# Altium PCB roach2.PcbDoc (part 16 of 39) (continued)
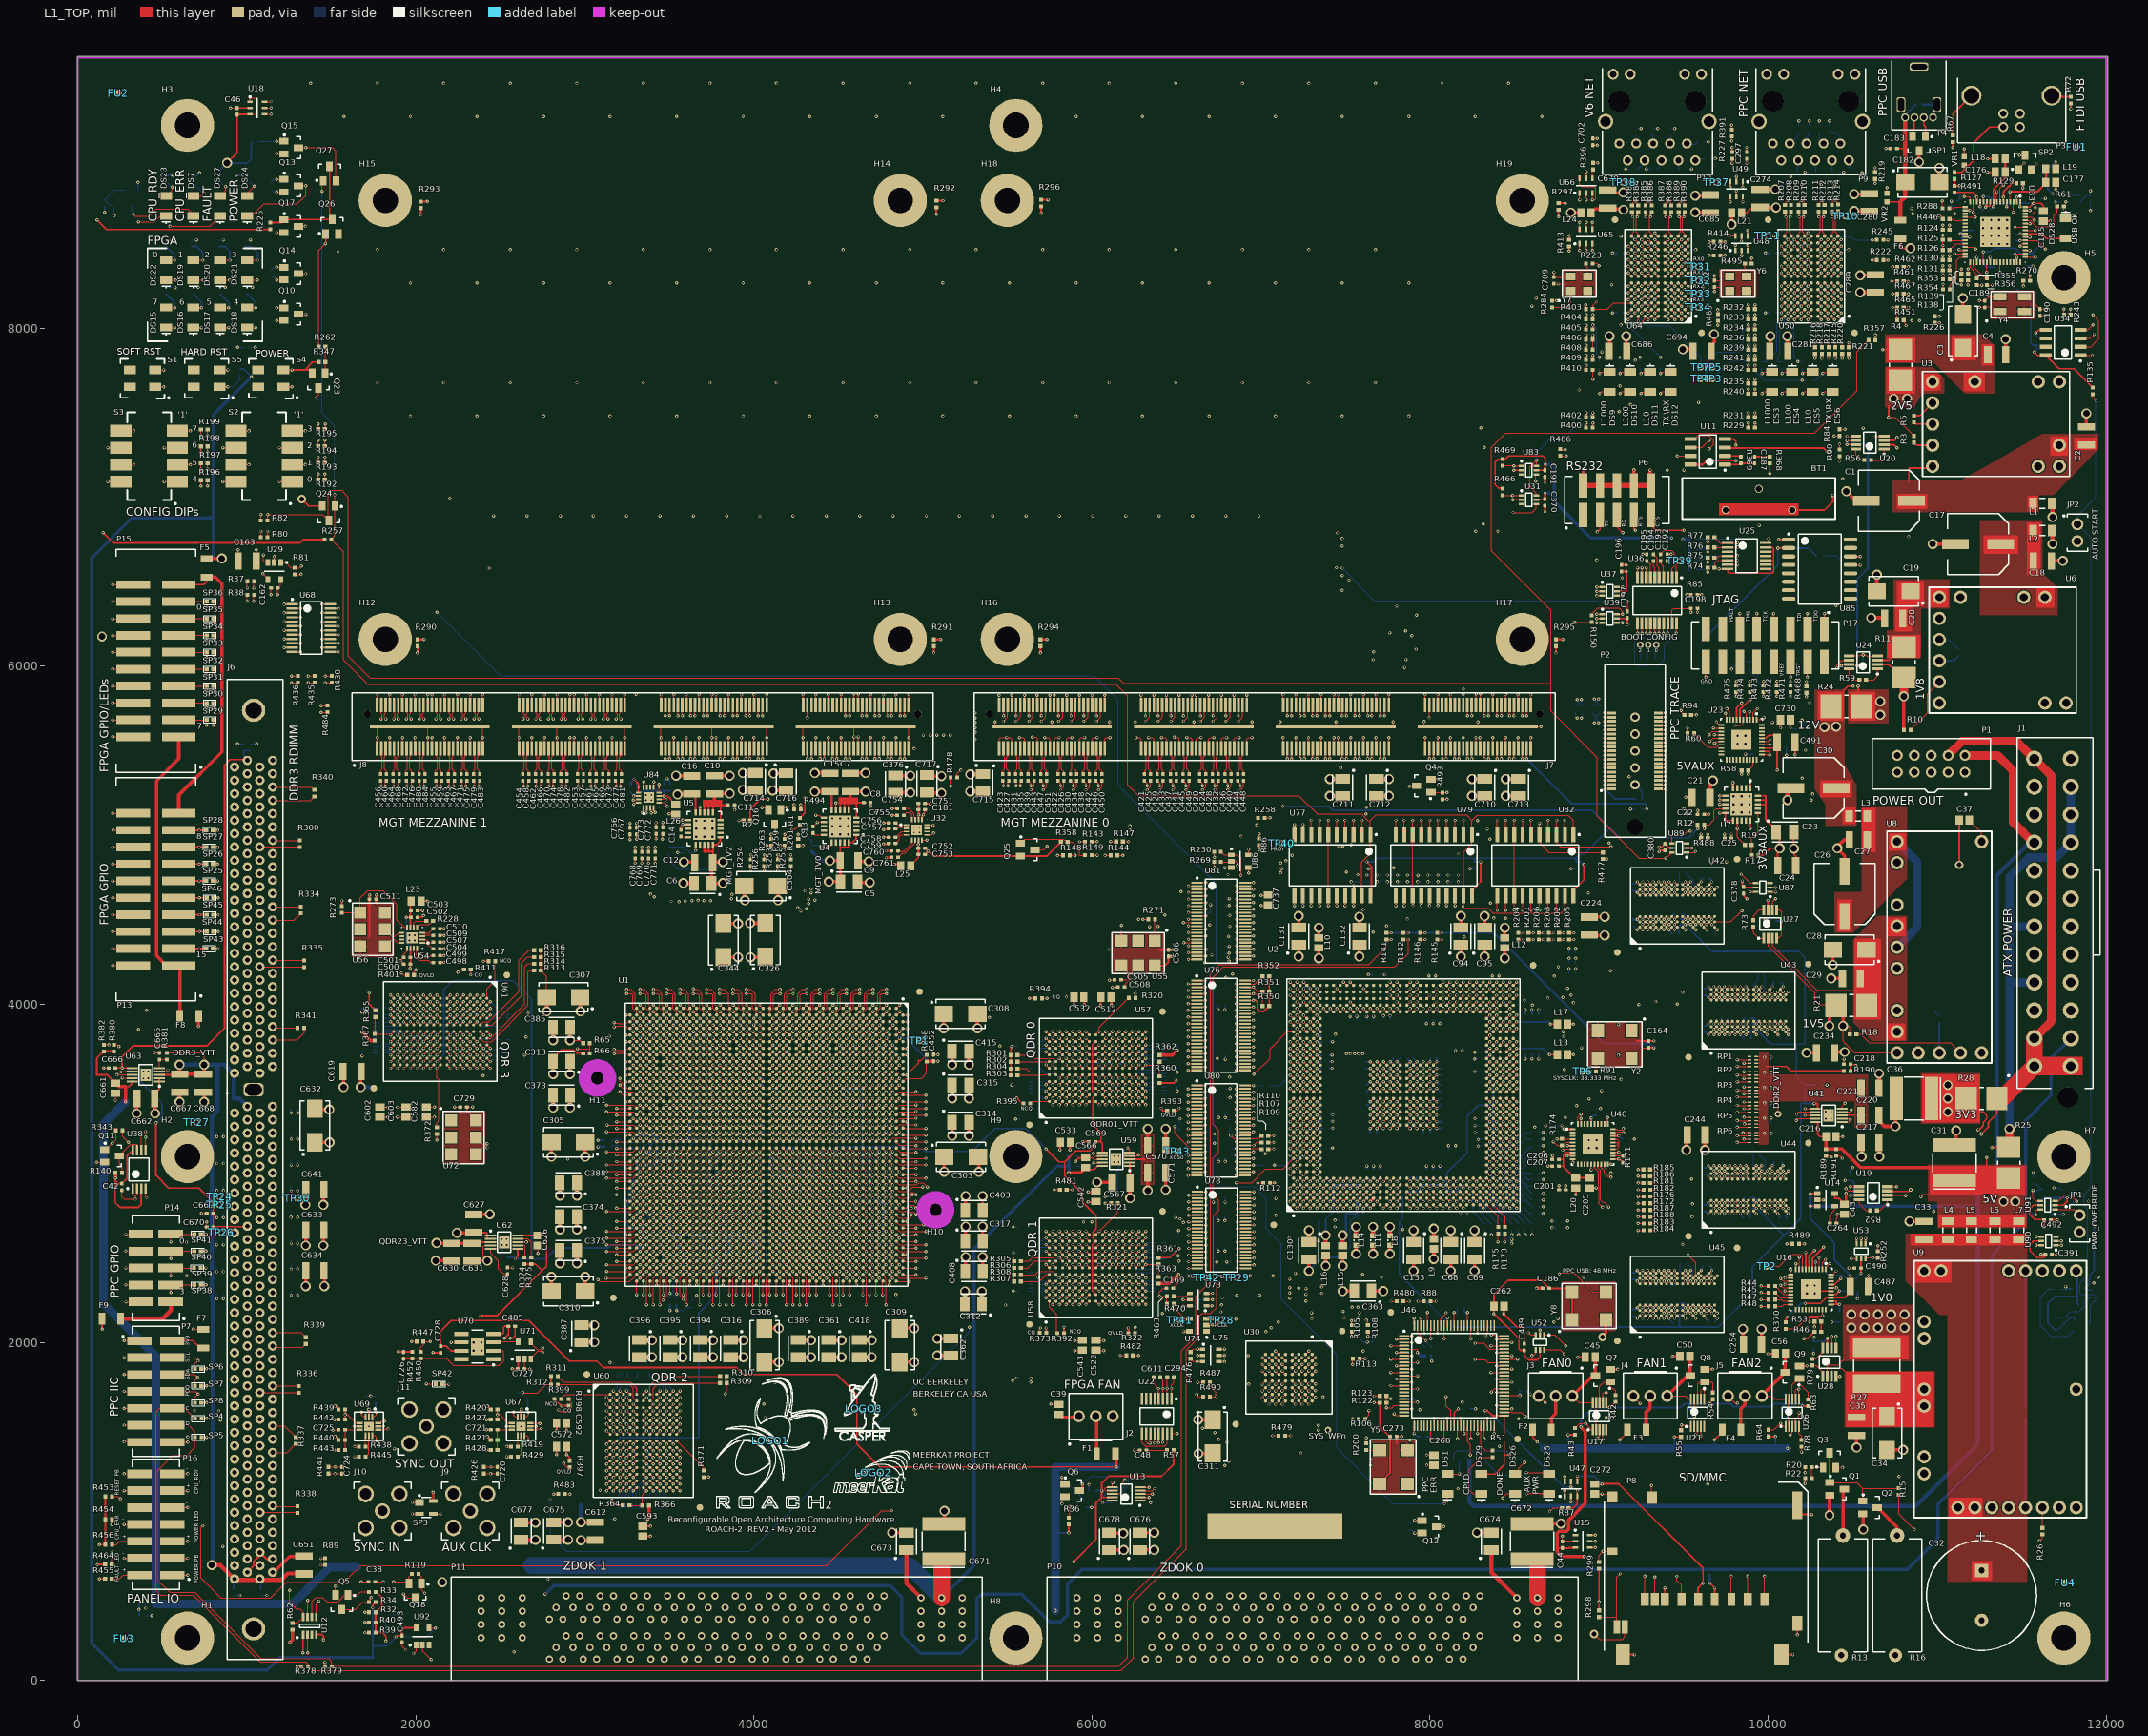
[diagram p0: L1_TOP view]
## Nets (pads, with @x,y where several pads share a name; then routed paths per layer and width w, separated by ;. In a path a pad name is that pad's centre, name@x,y a point inside that pad or via, vN(x,y) a via of type N, cw(c..) or ccw(c..) an arc to the next point about the centre after c; other vN are vias at no path point) (continued)
DDR3.ODT0: J6.195 U1.AU36 | length 3145.5
  L1_TOP w5: v1(3443.98,2577.2) U1.AU36@3463.67,2596.89
  L12_S w3.8: J6.195@1152.6,2372.13 1161.86,2372.13 1232.99,2300.99 1248,2300.99 ccw(c1248,2308.8) 1255.81,2308.8 1255.81,2352.82 cw(c1263.61,2352.82) 1263.61,2360.62 cw(c1263.61,2352.82) 1271.42,2352.82 1271.42,2300.99 1271.42,2295.15 ccw(c1279.22,2295.15) 1279.22,2287.34 ccw(c1279.22,2295.15) 1287.03,2295.15 cw(c1292.87,2295.15) 1292.87,2300.99 1302.64,2300.99 1304.99,2300.99 1326.99,2278.99 1334.8,2278.99 ; 1328,2278.99 1634,2278.99 1635.41,2278.99 ccw(c1635.41,2285.39) 1641.81,2285.39 cw(c1649.61,2285.39) 1649.61,2293.19 cw(c1649.61,2285.39) 1657.42,2285.39 1657.42,2278.99 1657.42,2268.83 ccw(c1665.22,2268.83) 1665.22,2261.02 ccw(c1665.22,2268.83) 1673.03,2268.83 1673.03,2278.99 1673.03,2285.16 cw(c1680.83,2285.16) 1680.83,2292.96 cw(c1680.83,2285.16) 1688.64,2285.16 1688.64,2278.99 1688.64,2268.83 ccw(c1696.44,2268.83) 1696.44,2261.02 ccw(c1696.44,2268.83) 1704.25,2268.83 1704.25,2278.99 1704.25,2285.16 cw(c1712.05,2285.16) 1712.05,2292.96 cw(c1712.05,2285.16) 1719.86,2285.16 1719.86,2278.99 1719.86,2268.83 ccw(c1727.67,2268.83) 1727.67,2261.02 ccw(c1727.67,2268.83) 1735.47,2268.83 1735.47,2278.99 1735.47,2285.16 cw(c1743.28,2285.16) 1743.28,2292.96 cw(c1743.28,2285.16) 1751.08,2285.16 1751.08,2278.99 1751.08,2268.83 ccw(c1758.89,2268.83) 1758.89,2261.02 ccw(c1758.89,2268.83) 1766.69,2268.83 1766.69,2278.99 1766.69,2285.16 cw(c1774.5,2285.16) 1774.5,2292.96 cw(c1774.5,2285.16) 1782.3,2285.16 1782.3,2278.99 1782.3,2268.83 ccw(c1790.11,2268.83) 1790.11,2261.02 ccw(c1790.11,2268.83) 1797.92,2268.83 1797.92,2278.99 1797.92,2285.16 cw(c1805.72,2285.16) 1805.72,2292.96 cw(c1805.72,2285.16) 1813.53,2285.16 1813.53,2278.99 1813.53,2268.83 ccw(c1821.33,2268.83) 1821.33,2261.02 ccw(c1821.33,2268.83) 1829.14,2268.83 1829.14,2278.99 1829.14,2285.16 cw(c1836.94,2285.16) 1836.94,2292.96 cw(c1836.94,2285.16) 1844.75,2285.16 1844.75,2278.99 1844.75,2268.83 ccw(c1852.55,2268.83) 1852.55,2261.02 ccw(c1852.55,2268.83) 1860.36,2268.83 1860.36,2278.99 1860.36,2285.16 cw(c1868.16,2285.16) 1868.16,2292.96 cw(c1868.16,2285.16) 1875.97,2285.16 1875.97,2278.99 1875.97,2268.83 ccw(c1883.78,2268.83) 1883.78,2261.02 ccw(c1883.78,2268.83) 1891.58,2268.83 1891.58,2278.99 1891.58,2285.16 cw(c1899.39,2285.16) 1899.39,2292.96 cw(c1899.39,2285.16) 1907.19,2285.16 1907.19,2278.99 1907.19,2268.83 ccw(c1915,2268.83) 1915,2261.02 ccw(c1915,2268.83) 1922.8,2268.83 1922.8,2278.99 1922.8,2285.16 cw(c1930.61,2285.16) 1930.61,2292.96 cw(c1930.61,2285.16) 1938.41,2285.16 ; 1938.41,2285.18 1938.41,2285.37 ; 1938.41,2285.39 ccw(c1944.81,2285.39) 1944.81,2278.99 2045,2278.99 3142.99,2278.99 3307.49,2443.49 3411.07,2443.49 3428.38,2460.8 3428.38,2561.6 v1(3443.98,2577.2)
DDR3.ODT1: J6.77 U1.AV36 | length 3145.5
  L1_TOP w5: v1(3404.61,2577.2) U1.AV36@3424.3,2596.89
  L12_S w3.8: J6.77@1002.99,2293.39 1004.88,2295.28 1103.39,2295.28 1138.74,2259.93 1185.27,2259.93 1230.2,2214.99 1582.99,2214.99 ; 1580.99,2214.99 1582.99,2214.99 ; 1852.25,2208.6 cw(c1858.65,2208.6) 1858.65,2214.99 2131,2214.99 3134.99,2214.99 3315.95,2395.95 3332.33,2395.95 3335.29,2392.99 3480.99,2392.99 3498.95,2410.95 3498.95,2498.99 3499.32,2499.36 3499.32,2525.46 3507.12,2533.26 3507.12,2661.88 3492,2677 3442.98,2677 3428.38,2662.41 3428.38,2600.97 v1(3404.61,2577.2) ; 1852.25,2209.81 1852.25,2210.41 ; 1852.25,2211.62 cw(c1844.44,2211.62) 1844.44,2203.81 cw(c1844.44,2211.62) 1836.64,2211.62 1836.64,2214.99 1836.64,2216.36 ccw(c1828.83,2216.36) 1828.83,2224.17 ccw(c1828.83,2216.36) 1821.03,2216.36 1821.03,2214.99 1821.03,2211.62 cw(c1813.22,2211.62) 1813.22,2203.81 cw(c1813.22,2211.62) 1805.42,2211.62 1805.42,2214.99 1805.42,2219.39 ccw(c1797.61,2219.39) 1797.61,2227.19 ccw(c1797.61,2219.39) 1789.81,2219.39 cw(c1785.41,2219.39) 1785.41,2214.99 1782,2214.99 1582.99,2214.99
  L16_BOT w10: v1@3405.51,2578.74 v1@3407.48,2578.74
DDR3.RASN: J6.192 U1.AY38 | length 3145.5
  L1_TOP w5: v1(3325.87,2498.46) U1.AY38@3345.56,2518.15
  L12_S w3.8: J6.192@1077.8,2490.24 1079.69,2488.35 1235.58,2488.35 1274.53,2449.39 1402.59,2449.39 1412.62,2439.36 1418.14,2433.84 cw(c1423.63,2428.36) 1429.11,2433.84 1429.18,2433.78 cw(c1423.69,2428.29) 1429.18,2422.8 1399.21,2392.84 ccw(c1404.73,2387.32) 1399.21,2381.8 ccw(c1404.73,2387.32) 1410.25,2381.8 1440.22,2411.77 cw(c1445.7,2406.28) 1451.19,2411.77 1451.26,2411.7 cw(c1445.77,2406.21) 1451.26,2400.73 1418.96,2368.43 ccw(c1424.48,2362.91) 1418.96,2357.39 ccw(c1424.48,2362.91) 1430,2357.39 1462.3,2389.69 cw(c1467.78,2384.2) 1473.27,2389.69 1473.33,2389.62 cw(c1467.85,2384.14) 1473.33,2378.65 1471.96,2377.28 ccw(c1477.48,2371.76) 1471.96,2366.24 ccw(c1477.48,2371.76) 1483,2366.24 1484.37,2367.61 cw(c1489.86,2362.13) 1495.34,2367.61 1495.41,2367.54 cw(c1489.93,2362.06) 1495.41,2356.57 1503.49,2348.49 1512.99,2338.99 2071,2338.99 ccw(c2071,2346.8) 2078.81,2346.8 2078.81,2353.09 cw(c2086.61,2353.09) 2086.61,2360.9 cw(c2086.61,2353.09) 2094.42,2353.09 2094.42,2338.99 2094.42,2336.89 ccw(c2102.22,2336.89) 2102.22,2329.09 ccw(c2102.22,2336.89) 2110.03,2336.89 2110.03,2338.99 2110.03,2353.09 cw(c2117.83,2353.09) 2117.83,2360.9 cw(c2117.83,2353.09) 2125.64,2353.09 2125.64,2338.99 2125.64,2336.89 ccw(c2133.44,2336.89) 2133.44,2329.09 ccw(c2133.44,2336.89) 2141.25,2336.89 2141.25,2338.99 2141.25,2353.09 cw(c2149.05,2353.09) 2149.05,2360.9 cw(c2149.05,2353.09) 2156.86,2353.09 2156.86,2338.99 2156.86,2336.89 ccw(c2164.67,2336.89) 2164.67,2329.09 ccw(c2164.67,2336.89) 2172.47,2336.89 2172.47,2338.99 2172.47,2353.09 cw(c2180.28,2353.09) 2180.28,2360.9 cw(c2180.28,2353.09) 2188.08,2353.09 2188.08,2338.99 2188.08,2336.89 ccw(c2195.89,2336.89) 2195.89,2329.09 ccw(c2195.89,2336.89) 2203.69,2336.89 2203.69,2338.99 2203.69,2353.09 cw(c2211.5,2353.09) 2211.5,2360.9 cw(c2211.5,2353.09) 2219.3,2353.09 2219.3,2338.99 2219.3,2336.89 ccw(c2227.11,2336.89) 2227.11,2329.09 ccw(c2227.11,2336.89) 2234.92,2336.89 2234.92,2338.99 2234.92,2353.09 cw(c2242.72,2353.09) 2242.72,2360.9 cw(c2242.72,2353.09) 2250.53,2353.09 2250.53,2338.99 2250.53,2336.89 ccw(c2258.33,2336.89) 2258.33,2329.09 ccw(c2258.33,2336.89) 2266.14,2336.89 2266.14,2338.99 2266.14,2353.09 cw(c2273.94,2353.09) 2273.94,2360.9 cw(c2273.94,2353.09) 2281.75,2353.09 2281.75,2338.99 2281.75,2336.89 ccw(c2289.55,2336.89) 2289.55,2329.09 ccw(c2289.55,2336.89) 2297.36,2336.89 2297.36,2338.99 2297.36,2353.09 cw(c2305.16,2353.09) 2305.16,2360.9 cw(c2305.16,2353.09) 2312.97,2353.09 2312.97,2338.99 2312.97,2336.89 ccw(c2320.78,2336.89) 2320.78,2329.09 ccw(c2320.78,2336.89) 2328.58,2336.89 2328.58,2338.99 2328.58,2353.09 cw(c2336.39,2353.09) 2336.39,2360.9 cw(c2336.39,2353.09) 2344.19,2353.09 2344.19,2338.99 2344.19,2336.89 ccw(c2352,2336.89) 2352,2329.09 ccw(c2352,2336.89) 2359.8,2336.89 2359.8,2338.99 2359.8,2353.09 cw(c2367.61,2353.09) 2367.61,2360.9 cw(c2367.61,2353.09) 2375.41,2353.09 2375.41,2346.8 ccw(c2383.22,2346.8) 2383.22,2338.99 2491,2338.99 2815.48,2338.99 2823.48,2346.99 2982.51,2346.99 2985.09,2344.41 3150.41,2344.41 3227.53,2421.53 3227.53,2445.87 3236.67,2455.01 3267.01,2455.01 3310.46,2498.46 v1(3325.87,2498.46)
DDR3.RESETN: J6.168 U1.N13 | length 3983
  L1_TOP w5: U1.N13@4408.55,3502.4 4409.77,3503.62 v1(4428.24,3522.09)
  L8_R w3.8: J6.168@1077.8,3592.6 1083.4,3586.99 1154.94,3586.99 1186.06,3618.11 1186.06,3640.06 1431,3885 1840.97,3885 1850.97,3875 3019.08,3875 3157.49,3736.58 3157.49,3701.99 3184.5,3674.99 3218.99,3674.99 3227.53,3666.45 3227.53,3653.42 3236.67,3644.28 3249.7,3644.28 3252.99,3640.99 3252.99,3636.99 3266.99,3622.99 3286.4,3622.99 3302.1,3607.29 3302.1,3523.79 3319.41,3506.49 3372.51,3506.49 3389.01,3522.99 3389.01,3528.55 3404.45,3543.98 3409.2,3543.98 3420.21,3554.99 3420.21,3640.99 3435.02,3655.8 4395.83,3655.8 4412.64,3638.99 4412.64,3537.69 v1(4428.24,3522.09)
DDR3.SN0: J6.193 U1.AW38 | length 3145.5
  L1_TOP w5: v1(3365.24,2498.46) U1.AW38@3384.93,2518.15
  L12_S w3.8: J6.193@1152.6,2450.87 1206.47,2396.99 1217,2396.99 ccw(c1217,2404.8) 1224.81,2404.8 1224.81,2469.24 cw(c1232.61,2469.24) 1232.61,2477.05 cw(c1232.61,2469.24) 1240.42,2469.24 1240.42,2404.8 ccw(c1248.22,2404.8) 1248.22,2396.99 1254,2396.99 1262,2396.99 ccw(c1262,2404.8) 1269.81,2404.8 1269.81,2413.75 cw(c1277.61,2413.75) 1277.61,2421.56 cw(c1277.61,2413.75) 1285.42,2413.75 1285.42,2396.99 1285.42,2384.02 ccw(c1293.22,2384.02) 1293.22,2376.22 ccw(c1293.22,2384.02) 1301.03,2384.02 1301.03,2396.99 1301.03,2409.7 cw(c1308.83,2409.7) 1308.83,2417.5 cw(c1308.83,2409.7) 1316.64,2409.7 1316.64,2404.8 ccw(c1324.44,2404.8) 1324.44,2396.99 1332,2396.99 1341,2396.99 ccw(c1341,2404.8) 1348.81,2404.8 1348.81,2433.79 cw(c1356.61,2433.79) 1356.61,2441.59 cw(c1356.61,2433.79) 1364.42,2433.79 1364.42,2404.8 ccw(c1372.22,2404.8) 1372.22,2396.99 1372.99,2396.99 1378.51,2391.47 ; 1377.49,2392.49 1408.99,2360.99 1408.99,2326.99 1438.42,2297.56 1503.56,2297.56 1526.99,2320.99 1538,2320.99 1543.41,2320.99 ccw(c1543.41,2323.39) 1545.81,2323.39 cw(c1553.61,2323.39) 1553.61,2331.19 cw(c1553.61,2323.39) 1561.42,2323.39 1561.42,2320.99 1561.42,2316.8 ccw(c1569.22,2316.8) 1569.22,2309 ccw(c1569.22,2316.8) 1577.03,2316.8 1577.03,2320.99 1577.03,2323.18 cw(c1584.83,2323.18) 1584.83,2330.99 cw(c1584.83,2323.18) 1592.64,2323.18 1592.64,2320.99 1592.64,2316.8 ccw(c1600.44,2316.8) 1600.44,2309 ccw(c1600.44,2316.8) 1608.25,2316.8 1608.25,2320.99 1608.25,2323.18 cw(c1616.05,2323.18) 1616.05,2330.99 cw(c1616.05,2323.18) 1623.86,2323.18 1623.86,2320.99 1623.86,2316.8 ccw(c1631.67,2316.8) 1631.67,2309 ccw(c1631.67,2316.8) 1639.47,2316.8 1639.47,2320.99 1639.47,2323.18 cw(c1647.28,2323.18) 1647.28,2330.99 cw(c1647.28,2323.18) 1655.08,2323.18 1655.08,2320.99 1655.08,2316.8 ccw(c1662.89,2316.8) 1662.89,2309 ccw(c1662.89,2316.8) 1670.69,2316.8 1670.69,2320.99 1670.69,2323.18 cw(c1678.5,2323.18) 1678.5,2330.99 cw(c1678.5,2323.18) 1686.3,2323.18 1686.3,2320.99 1686.3,2316.8 ccw(c1694.11,2316.8) 1694.11,2309 ccw(c1694.11,2316.8) 1701.92,2316.8 1701.92,2320.99 1701.92,2323.18 cw(c1709.72,2323.18) 1709.72,2330.99 cw(c1709.72,2323.18) 1717.53,2323.18 1717.53,2320.99 1717.53,2316.8 ccw(c1725.33,2316.8) 1725.33,2309 ccw(c1725.33,2316.8) 1733.14,2316.8 1733.14,2320.99 1733.14,2323.18 cw(c1740.94,2323.18) 1740.94,2330.99 cw(c1740.94,2323.18) 1748.75,2323.18 1748.75,2320.99 1748.75,2316.8 ccw(c1756.55,2316.8) 1756.55,2309 ccw(c1756.55,2316.8) 1764.36,2316.8 1764.36,2320.99 1764.36,2323.18 cw(c1772.16,2323.18) 1772.16,2330.99 cw(c1772.16,2323.18) 1779.97,2323.18 1779.97,2320.99 1779.97,2316.8 ccw(c1787.78,2316.8) 1787.78,2309 ccw(c1787.78,2316.8) 1795.58,2316.8 1795.58,2320.99 1795.58,2323.18 cw(c1803.39,2323.18) 1803.39,2330.99 cw(c1803.39,2323.18) 1811.19,2323.18 1811.19,2320.99 1811.19,2316.8 ccw(c1819,2316.8) 1819,2309 ccw(c1819,2316.8) 1826.8,2316.8 1826.8,2320.99 1826.8,2323.18 cw(c1834.61,2323.18) 1834.61,2330.99 cw(c1834.61,2323.18) 1842.41,2323.18 1842.41,2320.99 1842.41,2316.8 ccw(c1850.22,2316.8) 1850.22,2309 ccw(c1850.22,2316.8) 1858.03,2316.8 1858.03,2320.99 1858.03,2323.18 cw(c1865.83,2323.18) 1865.83,2330.99 cw(c1865.83,2323.18) 1873.64,2323.18 1873.64,2320.99 1873.64,2316.8 ccw(c1881.44,2316.8) 1881.44,2309 ccw(c1881.44,2316.8) 1889.25,2316.8 1889.25,2320.99 1889.25,2323.18 cw(c1897.05,2323.18) 1897.05,2330.99 cw(c1897.05,2323.18) 1904.86,2323.18 1904.86,2320.99 1904.86,2316.8 ccw(c1912.66,2316.8) 1912.66,2309 ccw(c1912.66,2316.8) 1920.47,2316.8 1920.47,2320.99 1920.47,2323.18 cw(c1928.28,2323.18) 1928.28,2330.99 cw(c1928.28,2323.18) 1936.08,2323.18 1936.08,2320.99 1936.08,2316.8 ccw(c1943.89,2316.8) 1943.89,2309 ccw(c1943.89,2316.8) 1951.69,2316.8 1951.69,2320.99 1951.69,2323.18 cw(c1959.5,2323.18) 1959.5,2330.99 cw(c1959.5,2323.18) 1967.3,2323.18 1967.3,2323.37 ccw(c1969.7,2323.39) 1969.7,2320.99 2165,2320.99 3146.78,2320.99 3308.65,2482.86 3349.64,2482.86 v1(3365.24,2498.46)
DDR3.SN1: J6.76 U1.AR37 | length 3145.5
  L1_TOP w5: v1(3522.72,2537.83) U1.AR37@3542.41,2557.52
  L12_S w3.8: J6.76@928.19,2332.76 960.99,2299.95 960.99,2272.99 985.88,2248.11 1024.57,2248.11 1063.94,2287.48 1091.66,2287.48 1131.03,2248.11 1186.06,2248.11 1241.17,2192.99 1570.99,2192.99 ; 1568.99,2192.99 1570.99,2192.99 ; v1(3522.72,2537.83) 3507.12,2522.23 3507.12,2393.12 3492.99,2378.99 3368.99,2378.99 3352.99,2362.99 3308.99,2362.99 3138.99,2192.99 1948,2192.99 1730.5,2192.99 ccw(c1730.5,2185.19) 1722.69,2185.19 1722.69,2182.82 cw(c1714.89,2182.82) 1714.89,2175.02 cw(c1714.89,2182.82) 1707.08,2182.82 1707.08,2192.99 1707.08,2199.16 ccw(c1699.28,2199.16) 1699.28,2206.97 ccw(c1699.28,2199.16) 1691.47,2199.16 1691.47,2192.99 1691.47,2182.82 cw(c1683.67,2182.82) 1683.67,2175.02 cw(c1683.67,2182.82) 1675.86,2182.82 1675.86,2192.99 1675.86,2199.16 ccw(c1668.05,2199.16) 1668.05,2206.97 ccw(c1668.05,2199.16) 1660.25,2199.16 1660.25,2192.99 1660.25,2182.82 cw(c1652.44,2182.82) 1652.44,2175.02 cw(c1652.44,2182.82) 1644.64,2182.82 1644.64,2192.99 1644.64,2199.16 ccw(c1636.83,2199.16) 1636.83,2206.97 ccw(c1636.83,2199.16) 1629.03,2199.16 1629.03,2192.99 1629.03,2182.82 cw(c1621.22,2182.82) 1621.22,2175.02 cw(c1621.22,2182.82) 1613.42,2182.82 1613.42,2192.99 1613.42,2199.39 ccw(c1605.61,2199.39) 1605.61,2207.19 ccw(c1605.61,2199.39) 1597.81,2199.39 cw(c1591.41,2199.39) 1591.41,2192.99 1590,2192.99 1570.99,2192.99
DDR3.SN2: J6.79 U1.AP36 | length 3134.6
  L1_TOP w5: v1(3562.09,2577.2) U1.AP36@3581.78,2596.89
  L12_S w3.8: J6.79@1002.99,2214.65 1030.99,2186.65 1030.99,2162.99 1054.99,2138.99 1108.37,2138.99 1138.74,2169.37 1166.46,2169.37 1196.83,2138.99 1268.99,2138.99 ; 1574.99,2138.99 1576.99,2138.99 ; v1(3562.09,2577.2) 3562.09,2559.9 3546.49,2544.3 3546.49,2404.12 3562.09,2388.52 3562.09,2366.09 3542.99,2346.99 3436.35,2346.99 3430.76,2352.58 3406.58,2352.58 3390.99,2336.99 3318.99,2336.99 3120.99,2138.99 1576.99,2138.99 ; 1268.99,2138.99 ccw(c1268.99,2143.39) 1273.39,2143.39 ; 1268.99,2138.99 ccw(c1268.99,2143.39) 1273.39,2143.39 ; 1273.39,2143.39 1273.39,2152.1 ; 1273.39,2152.1 cw(c1277.79,2152.1) 1277.79,2156.5 ; 1273.39,2152.1 cw(c1277.79,2152.1) 1277.79,2156.5 ; 1277.79,2156.5 cw(c1277.79,2152.1) 1282.19,2152.1 ; 1277.79,2156.5 cw(c1277.79,2152.1) 1282.19,2152.1 ; 1282.19,2096.25 ccw(c1286.59,2096.25) 1286.59,2091.85 ; 1282.19,2096.25 ccw(c1286.59,2096.25) 1286.59,2091.85 ; 1282.19,2096.25 1282.19,2152.1 ; 1286.59,2091.85 ccw(c1286.59,2096.25) 1290.99,2096.25 1290.99,2134.59 ; 1290.99,2134.59 cw(c1295.39,2134.59) 1295.39,2138.99 ; 1290.99,2134.59 cw(c1295.39,2134.59) 1295.39,2138.99 ; 1295.39,2138.99 1576.99,2138.99
DDR3.SN3: J6.198 U1.AH34 | length 3128.7
  L1_TOP w5: v1(3798.31,2655.94) U1.AH34@3818,2675.63
  L12_S w3.8: J6.198@1077.8,2254.02 1108.99,2222.82 1108.99,2206.99 1138.82,2177.17 1463,2177.17 1568.82,2177.17 1578.99,2166.99 2369.93,2166.99 2376.53,2173.59 2389.45,2173.59 2396.05,2166.99 3130.99,2166.99 3316.99,2352.99 3386.99,2352.99 3398.75,2364.75 3529.18,2364.75 3538.32,2373.89 3538.32,2582.32 3552.99,2596.99 3646.99,2596.99 3664.6,2614.6 3664.6,2623.04 3673.74,2632.17 3757.24,2632.17 3768.06,2643 3785.37,2643 v1(3798.31,2655.94)
DDR3.WEN: J6.73 U1.AV38 | length 3145.5
  L1_TOP w5: v1(3404.61,2498.46) U1.AV38@3424.3,2518.15
  L12_S w3.8: J6.73@1002.99,2450.87 1008.9,2444.96 1111.19,2444.96 1150.56,2405.59 1166.46,2405.59 1203.62,2368.42 1363.02,2368.42 1383.77,2347.67 1383.77,2316.21 1410.99,2288.99 1526.99,2288.99 1538.99,2300.99 2108,2300.99 2111.41,2300.99 ccw(c2111.41,2305.39) 2115.81,2305.39 cw(c2123.61,2305.39) 2123.61,2313.19 cw(c2123.61,2305.39) 2131.42,2305.39 2131.42,2300.99 2131.42,2294.95 ccw(c2139.22,2294.95) 2139.22,2287.15 ccw(c2139.22,2294.95) 2147.03,2294.95 2147.03,2300.99 2147.03,2305.03 cw(c2154.83,2305.03) 2154.83,2312.84 cw(c2154.83,2305.03) 2162.64,2305.03 2162.64,2300.99 2162.64,2294.95 ccw(c2170.44,2294.95) 2170.44,2287.15 ccw(c2170.44,2294.95) 2178.25,2294.95 2178.25,2300.99 2178.25,2305.03 cw(c2186.05,2305.03) 2186.05,2312.84 cw(c2186.05,2305.03) 2193.86,2305.03 2193.86,2300.99 2193.86,2294.95 ccw(c2201.67,2294.95) 2201.67,2287.15 ccw(c2201.67,2294.95) 2209.47,2294.95 2209.47,2300.99 2209.47,2305.03 cw(c2217.28,2305.03) 2217.28,2312.84 cw(c2217.28,2305.03) 2225.08,2305.03 2225.08,2300.99 2225.08,2294.95 ccw(c2232.89,2294.95) 2232.89,2287.15 ccw(c2232.89,2294.95) 2240.69,2294.95 2240.69,2300.99 2240.69,2305.03 cw(c2248.5,2305.03) 2248.5,2312.84 cw(c2248.5,2305.03) 2256.3,2305.03 2256.3,2300.99 2256.3,2294.95 ccw(c2264.11,2294.95) 2264.11,2287.15 ccw(c2264.11,2294.95) 2271.92,2294.95 2271.92,2300.99 2271.92,2305.03 cw(c2279.72,2305.03) 2279.72,2312.84 cw(c2279.72,2305.03) 2287.53,2305.03 2287.53,2300.99 2287.53,2294.95 ccw(c2295.33,2294.95) 2295.33,2287.15 ccw(c2295.33,2294.95) 2303.14,2294.95 2303.14,2300.99 2303.14,2305.03 cw(c2310.94,2305.03) 2310.94,2312.84 cw(c2310.94,2305.03) 2318.75,2305.03 ; 2318.75,2305.08 2318.75,2305.34 ; 2318.75,2305.39 ccw(c2323.14,2305.39) 2323.14,2300.99 2334.36,2300.99 2340.19,2300.99 2343.6,2300.99 ccw(c2343.6,2305.39) 2348,2305.39 cw(c2355.8,2305.39) 2355.8,2313.19 cw(c2355.8,2305.39) 2363.61,2305.39 2363.61,2300.99 2363.61,2294.95 ccw(c2371.41,2294.95) 2371.41,2287.15 ccw(c2371.41,2294.95) 2379.22,2294.95 2379.22,2300.99 2379.22,2305.03 cw(c2387.03,2305.03) 2387.03,2312.84 cw(c2387.03,2305.03) 2394.83,2305.03 2394.83,2300.99 2394.83,2294.95 ccw(c2402.64,2294.95) 2402.64,2287.15 ccw(c2402.64,2294.95) 2410.44,2294.95 2410.44,2300.99 2410.44,2305.03 cw(c2418.25,2305.03) 2418.25,2312.84 cw(c2418.25,2305.03) 2426.05,2305.03 2426.05,2300.99 2426.05,2294.95 ccw(c2433.86,2294.95) 2433.86,2287.15 ccw(c2433.86,2294.95) 2441.66,2294.95 2441.66,2300.99 2441.66,2305.03 cw(c2449.47,2305.03) 2449.47,2312.84 cw(c2449.47,2305.03) 2457.27,2305.03 2457.27,2300.99 2457.27,2294.95 ccw(c2465.08,2294.95) 2465.08,2287.15 ccw(c2465.08,2294.95) 2472.89,2294.95 2472.89,2300.99 2472.89,2305.03 cw(c2480.69,2305.03) 2480.69,2312.84 cw(c2480.69,2305.03) 2488.5,2305.03 2488.5,2300.99 2488.5,2294.95 ccw(c2496.3,2294.95) 2496.3,2287.15 ccw(c2496.3,2294.95) 2504.11,2294.95 2504.11,2300.99 2504.11,2305.03 cw(c2511.91,2305.03) 2511.91,2312.84 cw(c2511.91,2305.03) 2519.72,2305.03 2519.72,2300.99 2519.72,2294.95 ccw(c2527.52,2294.95) 2527.52,2287.15 ccw(c2527.52,2294.95) 2535.33,2294.95 2535.33,2300.99 2535.33,2305.03 cw(c2543.14,2305.03) 2543.14,2312.84 cw(c2543.14,2305.03) 2550.94,2305.03 2550.94,2300.99 2550.94,2294.95 ccw(c2558.75,2294.95) 2558.75,2287.15 ccw(c2558.75,2294.95) 2566.55,2294.95 2566.55,2300.99 2566.55,2305.03 cw(c2574.36,2305.03) 2574.36,2312.84 cw(c2574.36,2305.03) 2582.16,2305.03 2582.16,2300.99 2582.16,2294.95 ccw(c2589.97,2294.95) 2589.97,2287.15 ccw(c2589.97,2294.95) 2597.77,2294.95 ; 2597.77,2294.6 cw(c2604.17,2294.6) 2604.17,2300.99 2887,2300.99 3146.99,2300.99 3310.27,2464.27 3310.27,2465.55 3319.41,2474.69 3380.84,2474.69 v1(3404.61,2498.46) ; 2597.77,2294.64 2597.77,2294.91
DDR3_VREF: C663.2 C664.2 C666.2 C669.2 C670.2 J6.1 J6.67 U63.6 | length 4103
  L1_TOP w10: C666.2@222.68,3622.99 v2(262.99,3622.99) ; U63.6@297.99,3622.99 v2(262.99,3622.99) ; v2(462.99,3297.99) 462.99,2987.99 537.99,2912.99 717.99,2912.99 802.68,2828.31 C669.2@802.68,2762.99 C670.2@802.68,2682.99 803.96,2684.28 981.71,2684.28 J6.67@982.99,2682.99 ; J6.1@1002.99,5447.99 901.37,5447.99 869,5415.62 869,3861 762,3754 325.46,3754 262.99,3691.53 v2(262.99,3622.99)
  L16_BOT w10: v2(262.99,3622.99) 290.99,3622.99 498.99,3414.99 498.99,3333.99 v2(462.99,3297.99) ; C664.2@982.99,5501.65 C664.2@982.99,5497.99 ; J6.1@992.99,5462.99 982.99,5472.99 C664.2@982.99,5497.99 ; C663.2@1022.99,5501.65 986.65,5501.65 C664.2@982.99,5497.99
DDR3_VTT: C651.2 C652.2 C653.2 C654.2 C655.2 C667.2 C668.2 J6.48 J6.49 J6.120 J6.240 R381.1 U63.3 | length 4874.7
  L1_TOP w5: R381.1@527.99,3712.68 731.31,3712.68 747.64,3696.35 v5(747.64,3642.99)
  L1_TOP w12: U63.3@483.7,3582.99 599.84,3582.99 C667.2@602.99,3586.14
  L1_TOP w20: C667.2@602.64,3587.99 v5(602.64,3642.99) ; C667.2@602.99,3586.14 721.14,3586.14 C668.2@722.99,3587.99 ; C668.2@747.64,3587.99 v5(747.64,3642.99)
  L1_TOP w25: v5@802.99,682.99 842.99,682.99 926.85,599.13 927.99,597.99 J6.120@928.19,600.47 932.88,595.78 1070.78,595.78 1076.63,601.63 J6.240@1077.99,602.99 ; J6.240@1077.8,600.47 1082.49,595.78 1205.78,595.78 1242.99,632.99 C651.2@1322.99,632.99
  L16_BOT w10: C654.2@922.99,542.68 922.99,587.99 931.83,596.83 J6.120@932.99,597.99 ; J6.240@1077.8,600.47 1077.99,597.99 1082.99,592.99 C655.2@1082.99,542.68
  L16_BOT w25: v5(602.64,3642.99) v5(747.64,3642.99) 867.99,3642.99 922.99,3587.99 922.99,3502.99 922.99,3442.99 957.99,3442.99 1002.99,3397.99 J6.49@1002.99,3395.75 ; v5@797.99,697.64 797.99,2246.26 795,2249.25 795,3335 827.99,3367.99 827.99,3637.99
  other v5: 792.99,682.99
DONE_LEDN: DS26.1 Q14.3 | length 16670.1
  L1_TOP w5: v6(740,915) 730,905 730,605 847.89,487.11 1142.11,487.11 1235,580 1575,580 1675,680 4430,680 4755,1005 v6(4815,1005) ; Q14.3@1306.3,8322.99 v2(1348.56,8322.99) ; v6(8430,1080) 8453.94,1103.94 DS26.1@8502.99,1103.94
  L5_S w5: v6(740,915) 740,1150 715,1175 615,1175 420,1370 420,2705 265,2860 265,3515 330,3580 330,6375 960,7005 960,7690 1120,7850 1120,8094.43 v2(1348.56,8322.99)
  L8_R w5: v6(4815,1005) 4870,950 7815,950 8040,1175 8165,1175 8260,1080 v6(8430,1080)
EPB.DOEN: R487.1 R490.1 U75.4 | length 395.1
  L1_TOP w5: R490.1@6697.68,1677.99 v2@6733.99,1677.99 ; R487.1@6697.68,1762.99 6697.68,1742.31 6733.99,1705.99 6733.99,1678.99 v2@6733.99,1677.99 ; v2(6734.99,1678.99) v2@6733.99,1677.99 ; U75.4@6746.3,1885.59 v2@6778.3,1885.59
  L9_R w5: v2(6734.99,1678.99) 6780.3,1724.3 v2@6780.3,1885.59
  other v2: 6784.3,1885.59
EPB.PADDR5: R352.2 U2.D25 U30.G8 U76.55 | length 3677.7
  L1_TOP w5: v1@6855.26,4121.01 U76.55@6906.26,4121.01 6965.33,4121.01 R352.2@7009.31,4164.99 ; v1(7047.24,1633.86) U30.G8@7066.93,1653.54 ; v1(7291.81,3777.95) U2.D25@7311.5,3758.27
  L3_S w3.8: v1(6855.32,4121.09) 7052.89,4121.09 7178.99,3994.99 7236.99,3994.99 7276.99,3954.99 7276.99,3903.31 7276.21,3902.53 7276.21,3793.55 v1(7291.81,3777.95) ; v2(7366.99,1676.99) 7416.99,1726.99 7416.99,2435.46 7418.42,2436.89 7418.42,2518.32 7518.42,2618.32 7518.42,2700.42 7552.99,2734.99 7552.99,2784.85 7551.8,2786.05 7551.8,3705.8 v2(7552.99,3706.99)
  L12_S w3.8: v1(7047.24,1633.86) 7086.11,1594.99 7284.99,1594.99 v2(7366.99,1676.99) ; v1(7291.81,3777.95) 7304.03,3777.95 7319.63,3762.35 7399.63,3762.35 7410.99,3750.99 7520.99,3750.99 7550.99,3720.99 7550.99,3708.99 v2(7552.99,3706.99)
EPB.PADDR6: R351.2 U2.C25 U30.F8 U76.54 | length 3271.8
  L1_TOP w5: U76.54@6906.26,4101.33 6955.32,4101.33 6981.65,4075 R351.2@7009.31,4075 ; v1(7086.61,1633.86) U30.F8@7106.3,1653.54 ; v1(7252.44,3777.95) U2.C25@7272.13,3758.27
  L3_S w3.8: v1(6955.32,4101.72) 7046.26,4101.72 7190.99,3956.99 7224.99,3956.99 7232.99,3948.99 7232.99,3846.99 7252.44,3827.54 v1(7252.44,3777.95) ; v1(7086.61,1633.86) 7106.99,1654.24 7106.99,2014.99 7140.99,2048.99 7140.99,2056.99 7336.99,2252.99 7336.99,2538.99 7387.76,2589.76 7400.9,2589.76 7426.22,2615.09 7426.22,2628.22 7543.63,2745.63 7543.63,2957.64 7528.99,2972.28 v2(7528.99,3706.99)
  L12_S w3.8: v1(7252.44,3777.95) 7275.84,3754.55 7388.99,3754.55 7406.55,3736.99 7497.05,3736.99 7527.05,3706.99 v2(7528.99,3706.99)
EPB.PADDR7: R350.2 U2.B25 U30.C8 U76.52 | length 3380.5
  L1_TOP w5: U76.52@6906.26,4061.96 6978.04,4061.96 7009.31,4030.69 R350.2@7009.31,3990 ; v1(7213.07,3777.95) U2.B25@7232.76,3758.27 ; U30.C8@7224.41,1653.54 v1(7244.1,1633.86)
  L3_S w3.8: v1(6955.32,4062.35) 7061.63,4062.35 7128.99,3994.99 7128.99,3864.99 v1@7213.07,3780.91 ; v1(7244.1,1633.86) 7263.23,1652.99 7374.99,1652.99 7442.99,1720.99 7442.99,2500.99 7598.42,2656.42 7598.42,2697.67 7583,2713.09 7583,3700.98 v2(7576.99,3706.99)
  L12_S w3.8: v1(7213.07,3777.95) 7228.67,3793.55 7400.43,3793.55 7407.63,3786.36 7407.63,3773.07 7416.77,3763.93 7536.06,3763.93 7576.99,3722.99 v2(7576.99,3706.99)
EPB.PADDR8: U2.A25 U30.B8 U76.51 | length 3415.8
  L1_TOP w5: v1@6855.26,4042.27 6855.32,4042.27 U76.51@6906.26,4042.27 U76.51@6923.2,4042.27 ; v1(7173.7,3777.95) U2.A25@7193.39,3758.27 ; U30.B8@7263.78,1653.54 v1(7283.47,1633.86)
  L3_S w3.8: v1(6855.32,4042.35) 7027.63,4042.35 7092.99,3976.99 7092.99,3858.66 v1(7173.7,3777.95) ; v1@7284.6,1634.99 v1(7283.47,1633.86) 7292.33,1624.99 7408.99,1624.99 7518.99,1734.99 7518.99,2532.99 7612.99,2626.99 7612.99,2720.99 7591.17,2742.81 7591.17,2957.64 7600.99,2967.46 v2(7600.99,3706.99)
  L12_S w3.8: v1(7173.7,3777.95) 7197.47,3801.72 7520.26,3801.72 7598.99,3722.99 7598.99,3708.99 v2(7600.99,3706.99)
EPB.PADDR9: U2.C24 U30.C5 U76.49 | length 3255.7
  L1_TOP w5: v1@6855.26,4002.9 6855.32,4002.9 U76.49@6906.26,4002.9 U76.49@6923.2,4002.9 ; U30.C5@7224.41,1771.65 v1(7244.1,1751.97) ; v1(7252.44,3738.58) U2.C24@7272.13,3718.9
  L5_S w3.8: v1(6855.32,4002.98) 6904.75,4002.98 6939.72,3968.01 7055.97,3968.01 7151.69,3872.29 7219.53,3872.29 7230.99,3860.83 7230.99,3760.03 v1(7252.44,3738.58)
  L12_S w3.8: v1(7244.1,1751.97) 7267.12,1774.99 7410.99,1774.99 7580.99,1944.99 7580.99,2036.99 7644.99,2100.99 7644.99,2436.99 7706.22,2498.22 7706.22,2700.9 7630.54,2776.58 7630.54,2957.64 7641.58,2968.69 7641.58,3078.4 7616.99,3102.99 7616.99,3554.99 7455.6,3716.39 7402,3716.39 7400.8,3715.18 7293.15,3715.18 7269.75,3738.58 v1(7252.44,3738.58)
EPB.PADDR10: U2.D24 U30.D4 U76.48 | length 2923.5
  L1_TOP w5: U76.48@6889.32,3983.22 U76.48@6906.26,3983.22 6955.32,3983.22 v1@6957.26,3983.22 ; U30.D4@7185.04,1811.02 v1(7204.73,1830.71) ; v1(7291.81,3738.58) U2.D24@7311.5,3718.9
  L3_S w3.8: v2(7266.99,2244.99) 7318.42,2296.42 7318.42,2532.99 7382.99,2597.56 7397.67,2597.56 7418.42,2618.32 7418.42,2652.42 7432.99,2666.99 7448.99,2666.99 7504.26,2722.26 7504.26,2950.99 7504.99,2951.72 v2(7504.99,3706.99)
  L5_S w3.8: v1(6955.32,3983.61) 6976.7,4004.99 7060.99,4004.99 7148.99,3916.99 7254.99,3916.99 7268.04,3903.94 7268.04,3762.35 v1(7291.81,3738.58)
  L12_S w3.8: v1(7291.81,3738.58) 7303.4,3726.99 7320.71,3726.99 7324.72,3722.98 7337.64,3722.98 7341.65,3726.99 7484.99,3726.99 v2(7504.99,3706.99)
  L14_S w3.8: v1(7204.73,1830.71) 7188.99,1846.44 7188.99,2166.99 v2(7266.99,2244.99)
EPB.PADDR11: U2.B24 U30.D5 U76.47 | length 2843
  L1_TOP w5: v1@6855.26,3963.53 6855.32,3963.53 U76.47@6906.26,3963.53 U76.47@6923.2,3963.53 ; U30.D5@7185.04,1771.65 v1(7204.73,1751.97) ; v1(7213.07,3738.58) U2.B24@7232.76,3718.9
  L5_S w3.8: v1(6855.32,3963.61) 6871.94,3946.99 6936.01,3946.99 6948.86,3959.84 6961.79,3959.84 6974.64,3946.99 7028.99,3946.99 7189.3,3786.68 7189.3,3762.35 v1(7213.07,3738.58)
  L12_S w3.8: v1(7213.07,3738.58) 7236.84,3714.81 7236.84,3493.14 7258.99,3470.99 7351.12,3470.99 7402.39,3419.72 7402.39,3014.39 7386.15,2998.15 7386.15,2772.15 7341.82,2727.82 7341.82,2637.19 7290.39,2585.76 7290.39,2498.79 7341.82,2447.36 7341.82,2179.82 v2(7300.99,2138.99)
  L14_S w3.8: v1(7204.73,1751.97) 7262.99,1810.23 7262.99,2100.99 v2(7300.99,2138.99)
EPB.PADDR12: U2.D23 U30.C4 U76.45 | length 3185.9
  L1_TOP w5: v1(6855.32,3924.24) v1(6855.32,3924.24) U76.45@6906.26,3924.16 U76.45@6923.2,3924.16 ; U30.C4@7224.41,1811.02 v1(7244.1,1830.71) ; v1(7291.81,3699.21) U2.D23@7311.5,3679.53
  L3_S w3.8: v1(6855.32,3924.24) 7009.74,3924.24 7140.99,3792.99 7140.99,3786.99 7168.99,3758.99 7262.99,3758.99 7272.99,3748.99 7272.99,3718.03 v1(7291.81,3699.21)
  L12_S w3.8: v1(7244.1,1830.71) 7244.1,1823.89 7274.99,1792.99 7384.99,1792.99 7564.99,1972.99 7564.99,2108.99 7618.99,2162.99 7618.99,2468.99 7626.99,2476.99 7667.09,2476.99 7698.42,2508.32 7698.42,2697.67 7677.67,2718.42 7645.56,2718.42 7622.37,2741.61 7622.37,2975.61 7598.6,2999.38 7598.6,3547.38 7460.8,3685.19 7384.8,3685.19 7370.77,3699.21 7353.24,3699.21 7337.64,3683.61 7324.72,3683.61 7309.12,3699.21 v1(7291.81,3699.21)
EPB.PADDR13: U2.A24 U30.B3 U76.44 | length 2611.6
  L1_TOP w5: U76.44@6889.32,3904.48 U76.44@6906.26,3904.48 6955.32,3904.48 v1@6957.26,3904.48 ; v1(7173.7,3738.58) U2.A24@7193.39,3718.9 ; U30.B3@7263.78,1850.39 v1(7283.47,1870.08)
  L3_S w3.8: v1(6955.32,3904.87) 7007.11,3904.87 7173.4,3738.58 v1(7173.7,3738.58)
  L12_S w3.8: v1(7173.7,3738.58) 7138.99,3703.88 7138.99,3424.99 7164.13,3399.85 7342.13,3399.85 7354.99,3386.99 7354.99,3068.99 7339.69,3053.69 7317.69,3053.69 7268.04,3004.04 7268.04,2736.04 7218.99,2686.99 7218.99,2372.99 7202.99,2356.99 7202.99,1933.25 7220.33,1915.91 7220.33,1907.66 7238.99,1888.99 7264.55,1888.99 v1(7283.47,1870.08)